# Allegro board DPU_PoE_A1_Sep27.brd (continued)
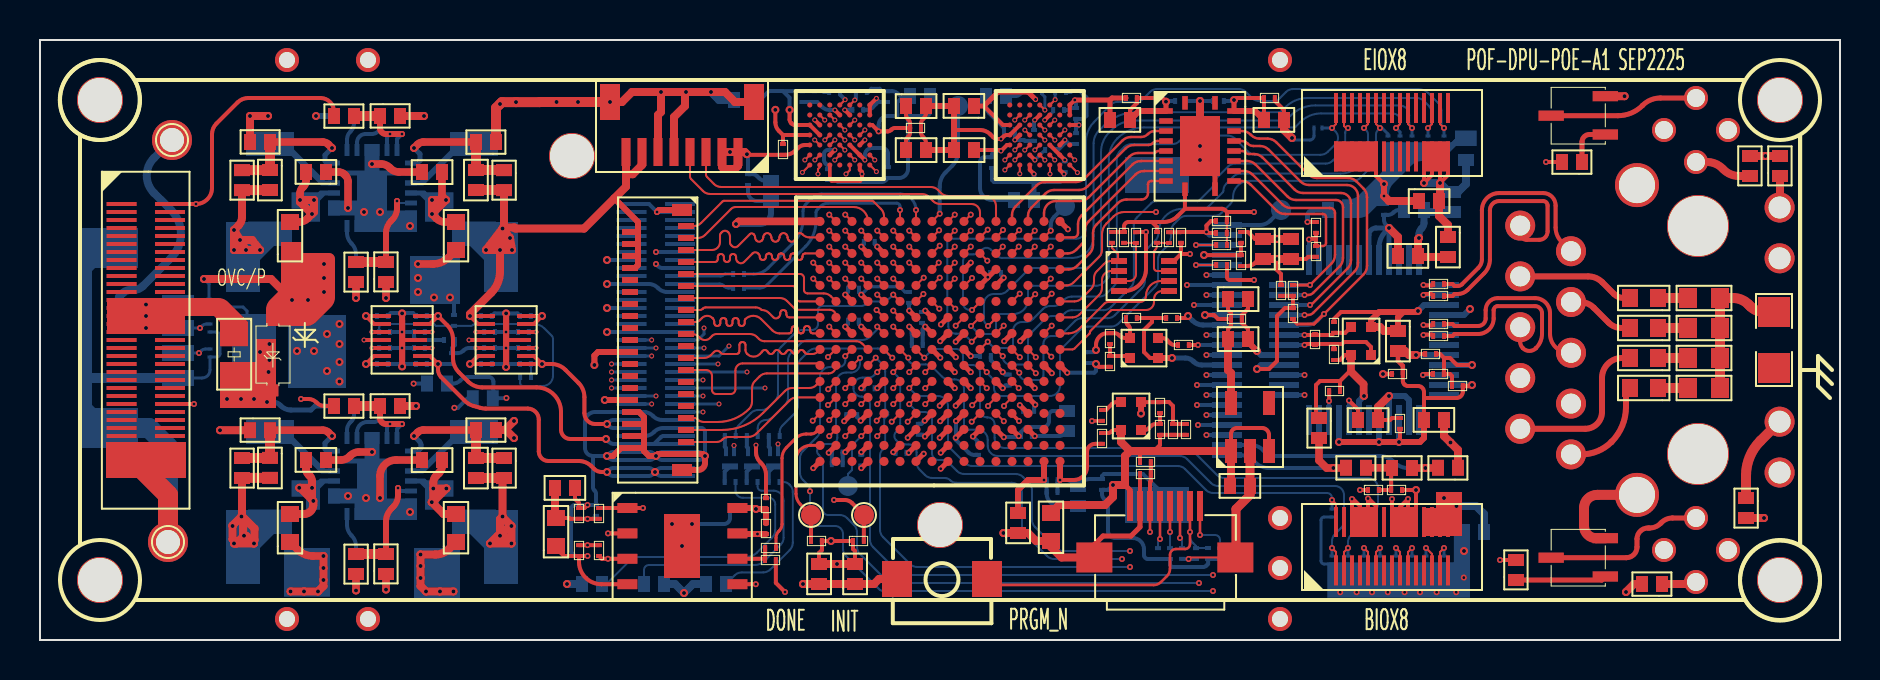
[diagram p0: board, top side]
## Routing (per net, layer and track width the routed paths; a pad name or vN(x,y) marks a point on that pad's centre or on a via; arc(x,y) is an arc through that point) (continued)
IR_D1: length 15.2
  TOP w0.102: v1(41.86,11.79) U7.E12
  SIG-3 w0.102: v1(41.86,11.79) 41.55,11.48 arc(41.44,11.31) 41.4,11.12 41.4,10.65 arc(41.37,10.58) 41.3,10.55 38.51,10.55 arc(38.32,10.51) 38.15,10.4 38.1,10.35 arc(37.93,10.24) 37.74,10.2 31.25,10.2 arc(31.18,10.23) 31.15,10.3 31.15,11.45 arc(31.05,11.7) 30.8,11.8 v2(30.58,11.8)
  BOTTOM w0.15: J7.19 v2(30.58,11.8)
IR_D2: length 15.3
  TOP w0.102: v1(44.26,12.59) U7.F9
  SIG-3 w0.102: v1(44.26,12.59) 44.02,12.35 arc(43.85,12.24) 43.66,12.2 43.2,12.2 arc(43.09,12.16) 43.05,12.05 43.05,11.63 arc(43.03,11.51) 42.96,11.41 42.95,11.4 arc(42.67,11.29) 42.4,11.4 42.34,11.46 arc(42.31,11.5) 42.3,11.56 42.3,11.9 arc(42.21,12.11) 42,12.2 40.8,12.2 arc(40.69,12.24) 40.65,12.35 40.65,12.8 arc(40.61,12.91) 40.5,12.95 38.21,12.95 arc(38.02,12.91) 37.85,12.8 37,11.95 arc(36.83,11.84) 36.64,11.8 v2(33.95,11.8)
  BOTTOM w0.15: J7.20 v2(33.95,11.8)
IR_D3: length 15.2
  TOP w0.102: v1(41.06,11.79) U7.E13
  SIG-3 w0.102: v2(30.8,12.2) 31,12.2 arc(31.35,12.05) 31.5,11.7 31.5,10.6 arc(31.53,10.53) 31.6,10.5 31.85,10.5 arc(31.92,10.53) 31.95,10.6 31.95,11.15 arc(31.98,11.22) 32.05,11.25 32.3,11.25 arc(32.37,11.22) 32.4,11.15 32.4,10.7 arc(32.46,10.56) 32.6,10.5 37.39,10.5 arc(37.58,10.54) 37.75,10.65 38.35,11.25 arc(38.52,11.36) 38.71,11.4 40.46,11.4 arc(40.65,11.44) 40.82,11.55 v1(41.06,11.79)
  BOTTOM w0.15: J7.21 v2(30.8,12.2)
IR_D4: length 15.3
  TOP w0.102: v1(43.46,13.39) U7.G10
  SIG-3 w0.102: v2(33.15,12.2) 34.05,12.2 arc(34.19,12.23) 34.31,12.31 34.35,12.35 arc(34.43,12.38) 34.51,12.35 34.66,12.2 arc(34.74,12.17) 34.81,12.2 34.96,12.35 arc(35.04,12.38) 35.12,12.35 35.27,12.2 arc(35.35,12.17) 35.42,12.2 35.57,12.35 arc(35.65,12.38) 35.73,12.35 35.88,12.2 arc(36.19,12.07) 36.5,12.2 36.52,12.22 36.65,12.22 36.7,12.18 36.77,12.18 arc(36.82,12.18) 36.86,12.21 36.88,12.23 arc(36.9,12.27) 36.91,12.32 36.91,12.39 36.87,12.44 36.87,12.51 arc(36.88,12.56) 36.9,12.6 36.92,12.62 arc(36.96,12.65) 37.01,12.66 37.08,12.66 37.13,12.61 37.2,12.61 arc(37.25,12.62) 37.29,12.64 37.31,12.66 arc(37.34,12.7) 37.35,12.75 37.35,12.82 37.3,12.87 37.3,13 arc(37.36,13.14) 37.5,13.2 37.72,13.2 arc(37.76,13.21) 37.81,13.24 37.86,13.29 37.86,13.36 37.91,13.41 arc(37.95,13.44) 38,13.45 38.02,13.45 arc(38.07,13.44) 38.11,13.41 38.16,13.36 38.16,13.29 38.21,13.24 arc(38.26,13.21) 38.3,13.2 38.32,13.2 arc(38.37,13.21) 38.42,13.24 38.47,13.29 38.47,13.36 38.52,13.41 arc(38.56,13.44) 38.61,13.45 38.63,13.45 arc(38.68,13.44) 38.72,13.41 38.77,13.36 38.77,13.29 38.82,13.24 arc(38.87,13.21) 38.91,13.2 38.93,13.2 arc(38.98,13.21) 39.02,13.24 39.08,13.29 39.08,13.36 39.13,13.41 arc(39.17,13.44) 39.22,13.45 39.24,13.45 arc(39.29,13.44) 39.33,13.41 39.38,13.36 39.38,13.29 39.43,13.24 arc(39.47,13.21) 39.52,13.2 39.54,13.2 arc(39.59,13.21) 39.63,13.24 39.69,13.29 39.69,13.36 39.74,13.41 arc(39.78,13.44) 39.83,13.45 39.85,13.45 arc(39.9,13.44) 39.94,13.41 39.99,13.36 39.99,13.29 40.04,13.24 arc(40.08,13.21) 40.13,13.2 40.15,13.2 arc(40.2,13.21) 40.24,13.24 40.3,13.29 40.3,13.36 40.35,13.41 arc(40.39,13.44) 40.44,13.45 40.46,13.45 arc(40.51,13.44) 40.55,13.41 40.6,13.36 40.6,13.29 40.65,13.24 arc(40.69,13.21) 40.74,13.2 40.76,13.2 arc(40.81,13.21) 40.85,13.24 40.91,13.29 40.91,13.36 40.96,13.41 arc(41,13.44) 41.05,13.45 41.07,13.45 arc(41.12,13.44) 41.16,13.41 41.21,13.36 41.21,13.29 41.3,13.2 41.4,13.2 41.51,13.09 arc(41.61,13.02) 41.73,13 42.86,13 arc(43.05,13.04) 43.22,13.15 v1(43.46,13.39)
  BOTTOM w0.15: J7.22 v2(33.15,12.2)
IR_D5: length 15.4
  TOP w0.102: U7.F15 v1(39.41,12.54)
  SIG-3 w0.102: v1(39.41,12.54) 38.4,12.54 arc(38.21,12.5) 38.04,12.39 37.25,11.6 arc(37.08,11.49) 36.89,11.45 33.81,11.45 arc(33.62,11.49) 33.45,11.6 33.4,11.65 arc(33.23,11.76) 33.04,11.8 32.31,11.8 arc(32.12,11.84) 31.95,11.95 31.45,12.45 arc(31.28,12.56) 31.09,12.6 30.55,12.6 arc(30.34,12.51) 30.25,12.3 30.25,11.45 arc(30.22,11.38) 30.15,11.35 29,11.35 arc(28.93,11.38) 28.9,11.45 28.9,12.5 arc(28.87,12.57) 28.8,12.6 v2(28.58,12.6)
  BOTTOM w0.15: J7.23 v2(28.58,12.6)
IR_D6: length 15.4
  TOP w0.102: v1(44.26,11.79) U7.E9
  SIG-3 w0.102: v2(36.25,12.6) 36.3,12.6 37.3,13.6 arc(37.47,13.71) 37.66,13.75 43.7,13.75 arc(43.81,13.71) 43.85,13.6 43.85,13.1 arc(43.88,13.03) 43.95,13 44.45,13 arc(44.56,12.96) 44.6,12.85 44.6,12.34 arc(44.56,12.15) 44.45,11.98 v1(44.26,11.79)
  BOTTOM w0.15: J7.24 v2(36.25,12.6)
IR_D7: length 15.3
  TOP w0.102: v1(39.4,14.15) 39.78,14.53 U7.H15
  SIG-3 w0.102: v1(39.4,14.15) 37.46,14.15 arc(37.27,14.11) 37.1,14 35.9,12.8 arc(35.73,12.69) 35.54,12.65 32.36,12.65 arc(32.17,12.69) 32,12.8 31.95,12.85 arc(31.78,12.96) 31.59,13 30.2,13 arc(29.99,12.91) 29.9,12.7 29.9,11.83 arc(29.87,11.76) 29.8,11.73 29.37,11.73 29.3,11.8 29.3,12.75 arc(29.23,12.93) 29.05,13 v2(28.58,13)
  BOTTOM w0.15: J7.25 v2(28.58,13)
IR_D8: length 15.2
  TOP w0.102: v1(44.26,13.39) U7.G9
  SIG-3 w0.102: v1(44.26,13.39) 44.5,13.39 arc(44.57,13.42) 44.6,13.49 44.6,14.4 arc(44.56,14.51) 44.45,14.55 43.3,14.55 43.15,14.4 42.9,14.4 42.75,14.55 37.31,14.55 arc(37.12,14.51) 36.95,14.4 35.7,13.15 arc(35.53,13.04) 35.34,13 v2(33.15,13)
  BOTTOM w0.15: J7.26 v2(33.15,13)
IR_D9: length 15.2
  TOP w0.102: v1(39.46,15.67) U7.J15
  SIG-3 w0.102: v1(39.46,15.67) 39.24,15.45 arc(39.08,15.34) 38.89,15.3 38.19,15.3 arc(38.15,15.31) 38.1,15.34 38.09,15.35 arc(38.06,15.39) 38.05,15.44 38.05,15.51 arc(38.04,15.56) 38.01,15.6 38,15.61 arc(37.96,15.64) 37.91,15.65 37.89,15.65 arc(37.84,15.64) 37.8,15.61 37.78,15.6 arc(37.76,15.56) 37.75,15.51 37.75,15.44 arc(37.74,15.39) 37.71,15.35 37.7,15.34 arc(37.65,15.31) 37.61,15.3 36.91,15.3 arc(36.72,15.26) 36.55,15.15 34.95,13.55 arc(34.78,13.44) 34.59,13.4 34.11,13.4 33.99,13.28 33.81,13.28 33.68,13.4 32.85,13.4 32.75,13.3 32.75,13.05 32.65,12.95 32.35,12.95 32.2,13.1 32.2,13.3 32.1,13.4 31.61,13.4 31.56,13.35 31.3,13.35 31.15,13.5 31,13.5 30.92,13.43 30.92,13.32 30.85,13.25 30.69,13.25 30.54,13.4 29.95,13.4 arc(29.84,13.36) 29.8,13.25 29.8,13.21 arc(29.79,13.16) 29.75,13.11 29.74,13.09 arc(29.69,13.06) 29.63,13.05 29.55,13.05 arc(29.48,13.08) 29.45,13.15 29.45,13.3 arc(29.42,13.37) 29.35,13.4 v2(28.58,13.4)
  BOTTOM w0.15: J7.27 v2(28.58,13.4)
IR_D10: length 15.3
  TOP w0.102: v1(45.78,15.71) U7.K7
  SIG-3 w0.102: v2(35.35,13.4) 36.7,14.75 arc(36.86,14.86) 37.06,14.9 39.44,14.9 arc(39.49,14.91) 39.54,14.94 39.56,14.96 arc(39.6,14.99) 39.66,15 42.73,15 arc(42.79,14.99) 42.85,14.95 42.86,14.94 arc(42.92,14.9) 42.99,14.89 44.02,14.89 arc(44.22,14.92) 44.38,15.03 44.55,15.2 arc(44.72,15.31) 44.91,15.35 45.21,15.35 arc(45.4,15.39) 45.57,15.5 v1(45.78,15.71)
  BOTTOM w0.15: J7.28 v2(35.35,13.4)
IR_D11: length 15.8
  TOP w0.102: U7.K12 v1(41.83,16.5)
  SIG-3 w0.102: v2(28.58,13.8) 33.19,13.8 arc(33.38,13.84) 33.55,13.95 33.65,14.05 arc(33.82,14.16) 34.01,14.2 34.39,14.2 arc(34.58,14.24) 34.75,14.35 36.75,16.35 arc(36.92,16.46) 37.11,16.5 v1(41.83,16.5)
  BOTTOM w0.15: J7.29 v2(28.58,13.8)
IR_D12: length 15.3
  TOP w0.102: v1(42.66,15.67) U7.J11
  SIG-3 w0.102: v2(33.9,13.8) 34.54,13.8 arc(34.73,13.84) 34.9,13.95 36.85,15.9 arc(37.02,16.01) 37.21,16.05 43.75,16.05 arc(43.82,16.02) 43.85,15.95 43.85,15.49 arc(43.83,15.36) 43.76,15.26 arc(43.41,15.12) 43.07,15.26 v1(42.66,15.67)
  BOTTOM w0.15: J7.30 v2(33.9,13.8)
IR_D13: length 15.2
  TOP w0.102: v1(41.86,17.27) U7.L12
  SIG-3 w0.102: v2(30.58,14.2) 33.14,14.2 arc(33.33,14.24) 33.5,14.35 34.3,15.15 arc(34.41,15.32) 34.45,15.51 34.45,16.34 arc(34.64,16.81) 35.11,17 arc(35.24,16.98) 35.34,16.91 arc(35.58,16.81) 35.81,16.91 36.05,17.15 arc(36.22,17.26) 36.41,17.3 39.24,17.3 arc(39.43,17.34) 39.6,17.45 39.7,17.55 arc(39.87,17.66) 40.06,17.7 41.45,17.7 arc(41.74,17.58) 41.86,17.29 v1(41.86,17.27)
  BOTTOM w0.15: J7.31 v2(30.58,14.2)
IR_D14: length 15.1
  TOP w0.102: U7.K11 v1(42.66,16.47)
  SIG-3 w0.102: v2(34.45,14.7) 35.15,15.4 35.15,15.52 34.82,15.85 34.82,15.97 34.91,16.06 35.04,16.06 35.36,15.74 35.49,15.74 35.58,15.83 35.58,15.95 35.25,16.28 35.25,16.4 35.34,16.49 35.47,16.49 35.79,16.17 35.92,16.17 36.75,17 36.9,17 37.05,16.85 37.21,16.85 37.36,17 37.51,17 37.66,16.85 37.82,16.85 37.97,17 38.12,17 38.27,16.85 38.43,16.85 38.58,17 38.73,17 38.88,16.85 39.04,16.85 39.19,17 39.34,17 39.49,16.85 42.28,16.85 v1(42.66,16.47)
  BOTTOM w0.15: v2(34.45,14.7) 33.95,14.2 J7.32
IR_D15: length 15.2
  TOP w0.102: v1(38.66,18.07) U7.M16
  SIG-3 w0.102: v1(38.66,18.07) 35.39,18.07 arc(35.2,18.11) 35.03,18.22 34.45,18.8 arc(34.28,18.91) 34.09,18.95 33.2,18.95 arc(32.99,18.86) 32.9,18.65 32.9,18.36 arc(32.86,18.17) 32.75,18 32.6,17.85 arc(32.49,17.68) 32.45,17.49 32.45,17.25 arc(32.6,16.9) 32.95,16.75 33.25,16.75 arc(33.46,16.66) 33.55,16.45 33.55,15.4 arc(33.48,15.22) 33.3,15.15 32.41,15.15 arc(32.22,15.11) 32.05,15 31.8,14.75 arc(31.63,14.64) 31.44,14.6 v2(30.8,14.6)
  BOTTOM w0.15: J7.33 v2(30.8,14.6)
IR_HSYNC: length 15.4
  TOP w0.102: v1(39.46,18.07) U7.M15
  SIG-3 w0.102: v2(33.2,14.6) 33.25,14.6 33.7,15.05 arc(33.87,15.3) 33.93,15.6 33.93,16.53 arc(33.95,16.67) 34.03,16.78 34.05,16.8 arc(34.12,16.91) 34.15,17.04 34.15,17.1 arc(34.12,17.17) 34.05,17.2 33.19,17.2 arc(33.11,17.22) 33.03,17.27 32.96,17.34 arc(32.91,17.46) 32.96,17.59 arc(33.03,17.63) 33.11,17.65 33.92,17.65 arc(34.04,17.67) 34.14,17.74 34.15,17.75 arc(34.19,17.85) 34.15,17.95 34.14,17.96 arc(34.04,18.03) 33.92,18.05 33.73,18.05 arc(33.56,18.08) 33.42,18.18 33.4,18.2 arc(33.37,18.27) 33.4,18.35 33.55,18.5 arc(33.85,18.62) 34.15,18.5 34.7,17.95 arc(34.77,17.84) 34.8,17.71 34.8,17.65 arc(34.83,17.58) 34.9,17.55 35.64,17.55 arc(35.7,17.56) 35.74,17.59 35.76,17.61 arc(35.8,17.64) 35.86,17.65 38.84,17.65 arc(39.03,17.69) 39.19,17.8 v1(39.46,18.07)
  BOTTOM w0.15: J7.34 v2(33.2,14.6)
IR_PCLK: length 15.2
  TOP w0.102: v1(40.26,18.07) U7.M14
  SIG-3 w0.102: v2(33.2,15.6) 33.2,15.9 arc(33.17,15.97) 33.1,16 32.4,16 arc(32.15,16.1) 32.05,16.35 32.05,17.65 arc(32.09,17.83) 32.19,17.99 32.21,18.01 arc(32.31,18.17) 32.35,18.35 32.35,19.15 arc(32.41,19.29) 32.55,19.35 34.34,19.35 arc(34.53,19.31) 34.7,19.2 35.25,18.65 arc(35.42,18.54) 35.61,18.5 39.62,18.5 arc(39.81,18.46) 39.98,18.35 v1(40.26,18.07)
  BOTTOM w0.15: v2(33.2,15.6) 33.2,15.3 32.9,15 J7.36
IR_PWR_EN: length 33.2
  TOP w0.102: U7.M7 46.23,17.73 v1(46.6,18.1)
  TOP w0.2: U5.5 v2(16.6,14.6)
  SIG-6 w0.102: v1(46.6,18.1) 46.35,17.85 arc(46.18,17.74) 45.99,17.7 37.31,17.7 arc(37.12,17.66) 36.95,17.55 36.85,17.45 arc(36.68,17.34) 36.49,17.3 31.81,17.3 arc(31.62,17.26) 31.45,17.15 29.05,14.75 arc(28.88,14.64) 28.69,14.6 27.91,14.6 arc(27.72,14.56) 27.55,14.45 27.45,14.35 arc(27.28,14.24) 27.09,14.2 16.9,14.2 arc(16.69,14.29) 16.6,14.5 v2(16.6,14.6)
  BOTTOM w0.2: R73.2 v2(16.6,14.6)
IR_UART_RX: length 11
  TOP w0.102: v1(43,21.5) U7.T11
  BOTTOM w0.15: R69.1 35.99,17.6 arc(36.18,17.64) 36.35,17.75 38.28,19.68 arc(38.66,20.26) 38.8,20.94 38.8,21.39 arc(38.81,21.45) 38.84,21.49 39.04,21.69 arc(39.21,21.8) 39.4,21.84 42.84,21.84 arc(42.95,21.79) 43,21.68 v1(43,21.5)
IR_UART_TX: length 11.9
  TOP w0.102: v1(43.8,21.5) U7.T10
  BOTTOM w0.15: R68.1 35.69,18.3 arc(36.08,18.38) 36.41,18.6 37.66,19.85 arc(38.02,20.39) 38.15,21.03 38.15,21.44 arc(38.19,21.63) 38.3,21.8 38.6,22.1 arc(38.82,22.25) 39.08,22.3 43,22.3 arc(43.57,22.07) v1(43.8,21.5)
IR_VSYNC: length 15.1
  TOP w0.102: v1(38.66,18.87) U7.N16
  SIG-3 w0.102: v2(30.58,15) 30.85,15 arc(31.2,15.15) 31.35,15.5 31.35,17.54 arc(31.39,17.73) 31.5,17.9 31.55,17.95 arc(31.66,18.12) 31.7,18.31 31.7,20.08 arc(31.75,20.2) 31.87,20.25 34.65,20.25 arc(34.83,20.18) 34.9,20 34.9,19.71 arc(34.94,19.52) 35.05,19.35 35.38,19.02 arc(35.55,18.91) 35.74,18.87 v1(38.66,18.87)
  BOTTOM w0.15: J7.35 v2(30.58,15)
JTAG_EN: length 25.5
  TOP w0.102: U7.D10 v1(43.38,10.91)
  TOP w0.127: J5.6 v1(55.5,5.4)
  TOP w0.2: J5.6 55.5,7.9 55.54,7.94 R90.2 R89.2
  SIG-6 w0.102: v1(55.5,5.4) 55.15,5.75 arc(54.98,5.86) 54.79,5.9 52.76,5.9 arc(52.57,5.86) 52.4,5.75 50.05,3.4 arc(49.88,3.29) 49.69,3.25 43.91,3.25 arc(43.72,3.29) 43.55,3.4 42.75,4.2 arc(42.64,4.37) 42.6,4.56 42.6,7.69 arc(42.64,7.88) 42.75,8.05 42.85,8.15 arc(42.96,8.32) 43,8.51 43,10.32 arc(43.04,10.51) 43.15,10.68 v1(43.38,10.91)
LD_3V3: length 2.5
  TOP w0.2: U6.13 24.7,15.8 v3(25.1,16.2) U6.14
  BOTTOM w0.2: C101.2 v3(25.1,16.2)
LD_3V3_EN: length 1
  TOP w0.2: U6.3 v2(21.8,15.4)
  BOTTOM w0.2: R70.2 v2(21.8,15.4)
LINKLED: length 28.9
  SIG-6 w0.15: U13.14 85.72,9.64 arc(85.56,9.88) 85.5,10.17 85.5,10.59 arc(85.44,10.88) 85.28,11.12 83.47,12.93 arc(83.23,13.09) 82.94,13.15 76.11,13.15 arc(75.82,13.21) 75.58,13.37 74.87,14.08 arc(74.63,14.24) 74.34,14.3 73.16,14.3 arc(72.87,14.36) 72.63,14.52 72.37,14.78 arc(72.13,14.94) 71.84,15 70.53,15 arc(70.41,14.98) 70.31,14.91 70.29,14.89 arc(70.19,14.82) 70.07,14.8 67.66,14.8 arc(67.37,14.74) 67.13,14.58 65.37,12.82 arc(65.13,12.66) 64.84,12.6 64.28,12.6 arc(64.07,12.56) 63.89,12.44 63.86,12.41 arc(63.68,12.29) 63.48,12.25 v1(63.23,12.25)
  BOTTOM w0.2: U12.25 v1(63.23,12.25)
MCLK: length 7.2
  TOP w0.15: R54.1 36.8,5.1 arc(36.84,5.28) 36.94,5.44 36.96,5.46 arc(37.06,5.62) 37.1,5.8 37.1,9.09 arc(37.16,9.38) 37.32,9.62 37.78,10.08 arc(38.02,10.24) 38.31,10.3 38.55,10.3 arc(38.69,10.33) 38.8,10.4 38.93,10.53 U7.C16
MCSN: length 14.3
  TOP w0.102: v1(39.46,10.19) U7.C15
  TOP w0.2: v1(30.15,6.6) U9.1 R51.1
  SIG-6 w0.102: v1(39.46,10.19) 39.2,10.45 arc(39.04,10.56) 38.85,10.6 36.7,10.6 arc(36.42,10.48) 36.3,10.2 36.3,9.51 arc(36.26,9.32) 36.15,9.15 34.1,7.1 arc(33.93,6.99) 33.74,6.95 30.71,6.95 arc(30.51,6.91) 30.35,6.8 v1(30.15,6.6)
MD0: length 12.4
  TOP w0.102: v1(40.26,10.19) U7.C14
  TOP w0.2: U9.5 v1(35.79,2.79)
  SIG-3 w0.102: v1(40.26,10.19) 39.81,9.74 37.84,9.74 arc(37.53,9.61) 37.4,9.3 37.4,3.61 arc(37.36,3.42) 37.25,3.25 36.94,2.94 arc(36.77,2.83) 36.58,2.79 v1(35.79,2.79)
MD1: length 15.8
  TOP w0.102: v1(38.63,10.96) U7.D16
  TOP w0.2: U9.2 v1(28.4,5.33)
  SIG-6 w0.102: v1(28.4,5.33) 28.34,5.39 arc(28.32,5.42) 28.31,5.46 28.31,6.76 arc(28.32,6.81) 28.35,6.85 28.75,7.25 arc(28.92,7.36) 29.11,7.4 33.59,7.4 arc(33.78,7.44) 33.95,7.55 34.4,8 arc(34.51,8.17) 34.55,8.36 34.55,8.69 arc(34.59,8.88) 34.7,9.05 35.05,9.4 arc(35.16,9.57) 35.2,9.76 35.2,10.14 arc(35.24,10.33) 35.35,10.5 35.67,10.82 arc(35.83,10.93) 36.03,10.96 v1(38.63,10.96)
MD2: length 20
  TOP w0.102: v1(39.46,10.99) U7.D15
  TOP w0.2: R55.1 28.09,4.06 v1(28.4,4.06) U9.3
  SIG-6 w0.102: v1(39.46,10.99) 39,11.45 arc(38.84,11.56) 38.65,11.6 35.36,11.6 arc(35.17,11.56) 35,11.45 34.1,10.55 arc(33.99,10.38) 33.95,10.19 33.95,8.26 arc(33.8,7.9) 33.44,7.75 28.81,7.75 arc(28.62,7.71) 28.45,7.6 28.09,7.24 arc(27.98,7.07) 27.94,6.88 27.94,4.73 arc(27.98,4.54) 28.09,4.37 v1(28.4,4.06)
MD3: length 12.6
  TOP w0.102: v1(41.84,10.96) U7.D12
  TOP w0.3: U9.7 34.9,5.3 v1(35.87,5.3) R52.1
  SIG-6 w0.102: v1(41.84,10.96) 41.6,10.73 arc(41.43,10.62) 41.24,10.58 40.03,10.58 arc(39.9,10.53) 39.85,10.4 39.85,9.95 arc(39.81,9.84) 39.7,9.8 38.01,9.8 arc(37.82,9.76) 37.65,9.65 35.25,7.25 arc(35.14,7.08) 35.1,6.89 35.1,6.28 arc(35.14,6.09) 35.25,5.92 v1(35.87,5.3)
Net_13: length 0.5
  TOP w0.102: v1(50.59,17.31) 50.2,16.93
Net_14: length 0.5
  TOP w0.102: v1(45.74,18.07) 45.4,17.73
PROGRAM_N: length 40
  TOP w0.102: U7.C12 v1(41.86,10.19)
  TOP w0.127: SW1.2 47.51,2.89 arc(47.67,2.79) 47.85,2.75 55.69,2.75 arc(55.88,2.79) 56.05,2.9 56.35,3.2 arc(56.46,3.37) 56.5,3.56 56.5,4.25 arc(56.59,4.46) 56.8,4.55 57.25,4.55 arc(57.43,4.62) 57.5,4.8 v1(57.5,5.4) J5.2
  SIG-6 w0.102: v1(57.5,5.4) 57.5,5.21 arc(57.47,5.05) 57.38,4.91 57.17,4.7 57.09,4.7 57.03,4.64 arc(56.98,4.61) 56.93,4.6 55.31,4.6 arc(55.12,4.64) 54.95,4.75 54.85,4.85 arc(54.68,4.96) 54.49,5 53.46,5 arc(53.27,4.96) 53.1,4.85 50.85,2.6 arc(50.68,2.49) 50.49,2.45 43.16,2.45 arc(42.97,2.49) 42.8,2.6 41.85,3.55 arc(41.74,3.72) 41.7,3.91 41.7,9.92 arc(41.72,10.02) 41.77,10.1 v1(41.86,10.19)
  BOTTOM w0.102: R50.1 57.81,4.6 C58.2 57.8,4.7 57.63,4.87 arc(57.53,5.01) 57.5,5.19 v1(57.5,5.4)
PWR_EN1: length 22.8
  TOP w0.2: v1(7.7,11.8) J3.52 ; v1(13.05,12.05) 13.42,12.05 arc(13.63,12.01) 13.81,11.89 13.84,11.86 arc(14.02,11.74) 14.23,11.7 R36.2
  SIG-3 w0.2: v1(7.95,14.35) 7.95,13.32 arc(7.92,13.16) 7.83,13.03 7.82,13.02 arc(7.73,12.89) 7.7,12.73 v1(7.7,11.8) 7.7,11.7 arc(7.85,11.35) 8.2,11.2 11.99,11.2 arc(12.18,11.24) 12.35,11.35 v1(13.05,12.05)
  SIG-6 w0.16: v1(20.72,11.61) 20.43,11.61 arc(20.19,11.66) 19.99,11.79 19.71,12.07 arc(19.45,12.24) 19.15,12.3 18.69,12.3 arc(18.39,12.24) 18.13,12.07 17.79,11.73 arc(17.53,11.56) 17.23,11.5 13.93,11.5 arc(13.63,11.56) 13.37,11.73 v1(13.05,12.05)
  BOTTOM w0.15: J8.2 v1(7.95,14.35) 8.06,14.46 arc(8.16,14.53) 8.28,14.55 D22.2
  BOTTOM w0.2: v1(20.72,11.61) 20.9,11.61 21.3,12.01 arc(21.39,12.07) 21.49,12.09 R92.1
PWR_EN2: length 34.9
  TOP w0.2: R2.2 14.7,26.42 arc(14.5,26.9) 14.02,27.1 10.41,27.1 arc(10.12,27.04) 9.88,26.88 8.82,25.82 arc(8.66,25.58) 8.6,25.29 8.6,22.6 arc(8.37,22.03) v1(7.8,21.8) J3.2
  SIG-3 w0.2: v1(7.8,21.8) 7.5,21.5 arc(7.39,21.33) 7.35,21.14 7.35,16.46 arc(7.39,16.27) 7.5,16.1 v1(8,15.6)
  SIG-6 w0.16: v1(18.68,12.82) 18.11,12.82 arc(17.81,12.76) 17.55,12.59 17.34,12.38 arc(17.08,12.21) 16.78,12.15 14.34,12.15 arc(14.04,12.21) 13.78,12.38 13.61,12.55 arc(13.35,12.72) 13.05,12.78 10.26,12.78 arc(9.96,12.84) 9.7,13.01 9.35,13.36 arc(9.18,13.62) 9.12,13.92 9.12,15.03 arc(8.95,15.43) 8.55,15.6 v1(8,15.6)
  BOTTOM w0.15: D21.2 8.33,15.8 arc(8.21,15.78) 8.11,15.71 v1(8,15.6) J8.3
  BOTTOM w0.2: R91.1 v1(18.68,12.82)
RN: length 9.4
  TOP w0.2: R25.1 70.63,15.8 70.73,15.7 71.9,15.7 arc(72.17,15.81) 72.28,16.08 72.28,16.49 arc(72.46,16.92) 72.88,17.09 74.75,17.09 arc(75.28,16.87) 75.5,16.34 75.5,15.31 arc(75.78,14.64) 76.45,14.36 U13.6
RP: length 9.8
  TOP w0.2: R27.1 70.63,15.2 70.73,15.3 71.9,15.3 arc(72.45,15.53) 72.68,16.08 72.68,16.49 arc(72.74,16.64) 72.88,16.69 74.75,16.69 arc(75,16.59) 75.1,16.34 75.1,15.31 arc(75.02,14.93) 74.81,14.6 74.79,14.59 arc(74.47,14.45) 74.15,14.59 74.14,14.6 arc(74.04,14.74) 74.01,14.91 U13.5
SPI_CS: length 5.1
  TOP w0.102: R11.2 53.6,19.6 53.9,19.3 53.9,19 U4.1 53.56,18.95 arc(53.37,18.91) 53.2,18.8 52.85,18.45 arc(52.74,18.28) 52.7,18.09 52.7,17.91 arc(52.66,17.72) 52.55,17.55 52.08,17.08 arc(51.91,16.97) 51.72,16.93 U7.L1
SPI_SCK: length 6.7
  TOP w0.102: U7.J1 51.42,15.33 arc(51.71,15.39) 51.95,15.55 53.22,16.82 arc(53.31,16.88) 53.41,16.9 55,16.9 arc(55.21,16.99) 55.3,17.2 arc(55.52,17.73) 56.05,17.95 U4.6
SPI_SI: length 6.9
  TOP w0.102: U4.5 56.12,17.45 arc(55.82,17.33) 55.7,17.03 55.7,16.9 arc(55.58,16.62) 55.3,16.5 53.61,16.5 arc(53.57,16.49) 53.54,16.47 52.53,15.46 arc(52.51,15.43) 52.5,15.39 arc(52.49,15.35) 52.47,15.32 51.73,14.57 arc(51.68,14.54) 51.62,14.53 U7.H1
SPI_SO: length 4.3
  TOP w0.102: U7.K1 51.62,16.13 arc(51.81,16.17) 51.98,16.28 52.95,17.25 arc(53.06,17.42) 53.1,17.61 53.1,18 arc(53.23,18.32) 53.55,18.45 U4.2
SYNC-1: length 5.7
  TOP w0.3: R57.2 17.3,5.91 arc(17.37,6.27) 17.58,6.58 17.67,6.67 arc(17.84,6.92) 17.9,7.22 v1(17.9,7.6)
  TOP w0.5: R58.1 R57.2
  BOTTOM w0.2: v1(17.9,7.6) 18.05,7.45 U14.11
SYNC-2: length 5.4
  TOP w0.3: v1(17.85,21.95) 17.85,21.57 arc(17.79,21.27) 17.62,21.02 17.55,20.95 arc(17.37,20.67) 17.3,20.34 R18.2
  TOP w0.5: R19.1 R18.2
  BOTTOM w0.102: U11.11 17.95,21.85 v1(17.85,21.95)
SYS_CLK: length 4.7
  TOP w0.18: U7.D4 48.6,11.3 v1(48.95,10.95) ; R38.2 52.61,10.96 v1(52.6,10.95)
  SIG-6 w0.18: v1(48.95,10.95) v1(52.6,10.95)
TCK: length 26.2
  TOP w0.102: U7.F14 v1(40.26,12.59)
  TOP w0.127: J5.3 v1(57,5.1)
  SIG-6 w0.102: v1(57,5.1) 57,5.69 arc(56.96,5.88) 56.85,6.05 56.35,6.55 arc(56.18,6.66) 55.99,6.7 52.41,6.7 arc(52.22,6.74) 52.05,6.85 51.9,7 arc(51.73,7.11) 51.54,7.15 49.51,7.15 arc(49.32,7.19) 49.15,7.3 48.85,7.6 arc(48.68,7.71) 48.49,7.75 45.11,7.75 arc(44.75,7.9) 44.6,8.26 44.6,11.84 arc(44.49,12.09) 44.24,12.2 44.21,12.2 arc(43.96,12.31) 43.85,12.56 43.85,12.61 arc(43.74,12.89) 43.46,13 41.79,13 arc(41.55,12.9) 41.45,12.66 41.45,12.36 arc(41.44,12.3) 41.41,12.26 41.39,12.24 arc(41.35,12.21) 41.29,12.2 40.45,12.2 arc(40.32,12.25) 40.26,12.39 v1(40.26,12.59)